# Altium PCB Discharge_C2.PcbDoc (part 1 of 2)
Units mm, origin at the board's own origin, x right, y up, seen from the top; angles counter-clockwise.
Board outline 166.97 x 82.45 mm, 4 copper layers (Top Layer, GND, PWR, Bottom Layer), stack 1.369 mm thick; 186 components, 113 nets, 591 pads, 287 vias.
Unrouted connection lines stored in the file: 8.
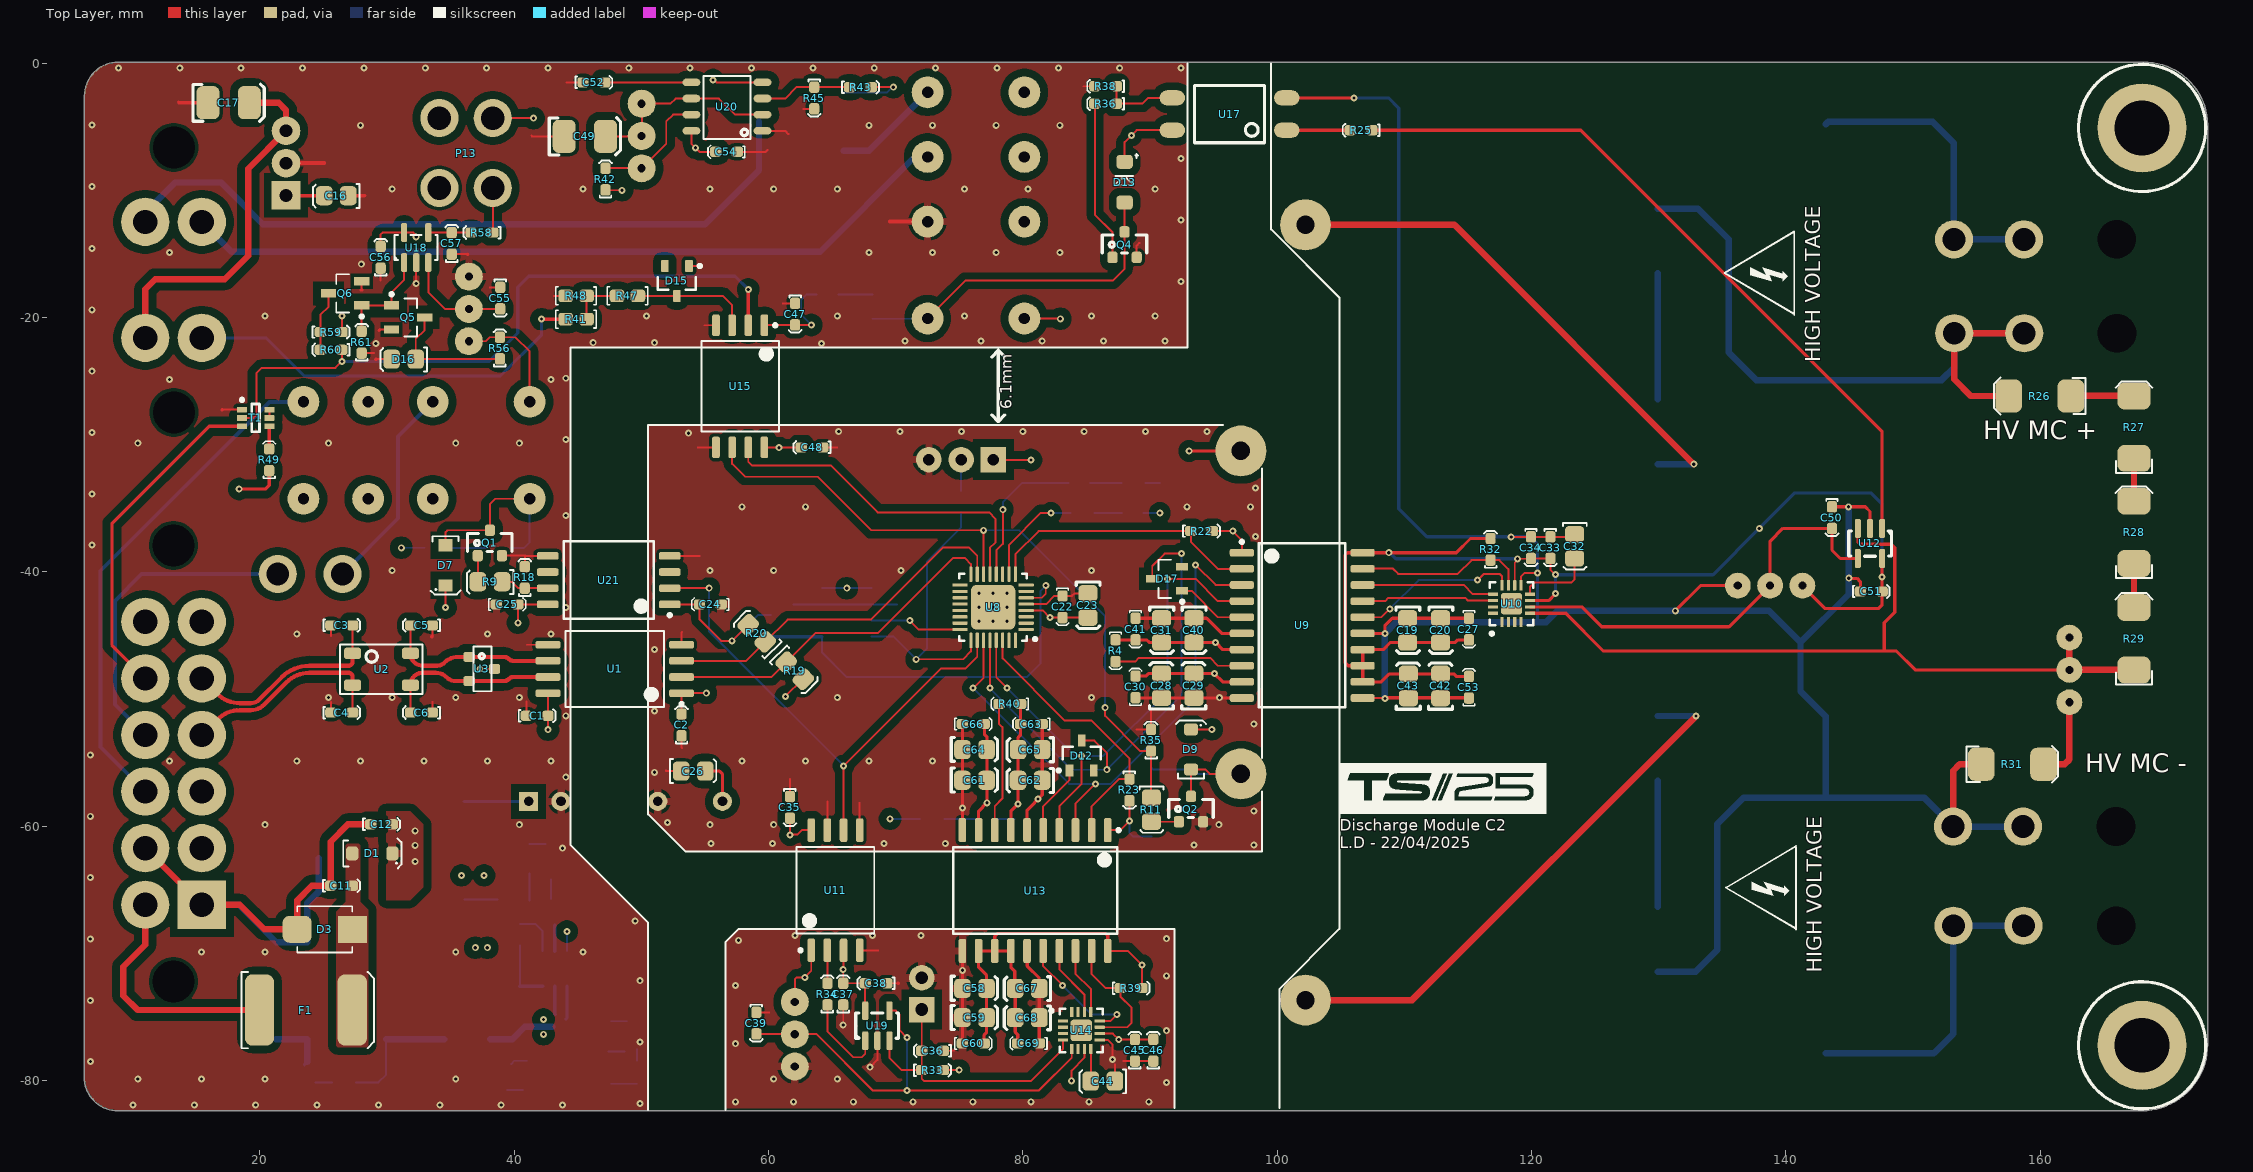
[diagram p0: Top Layer view]
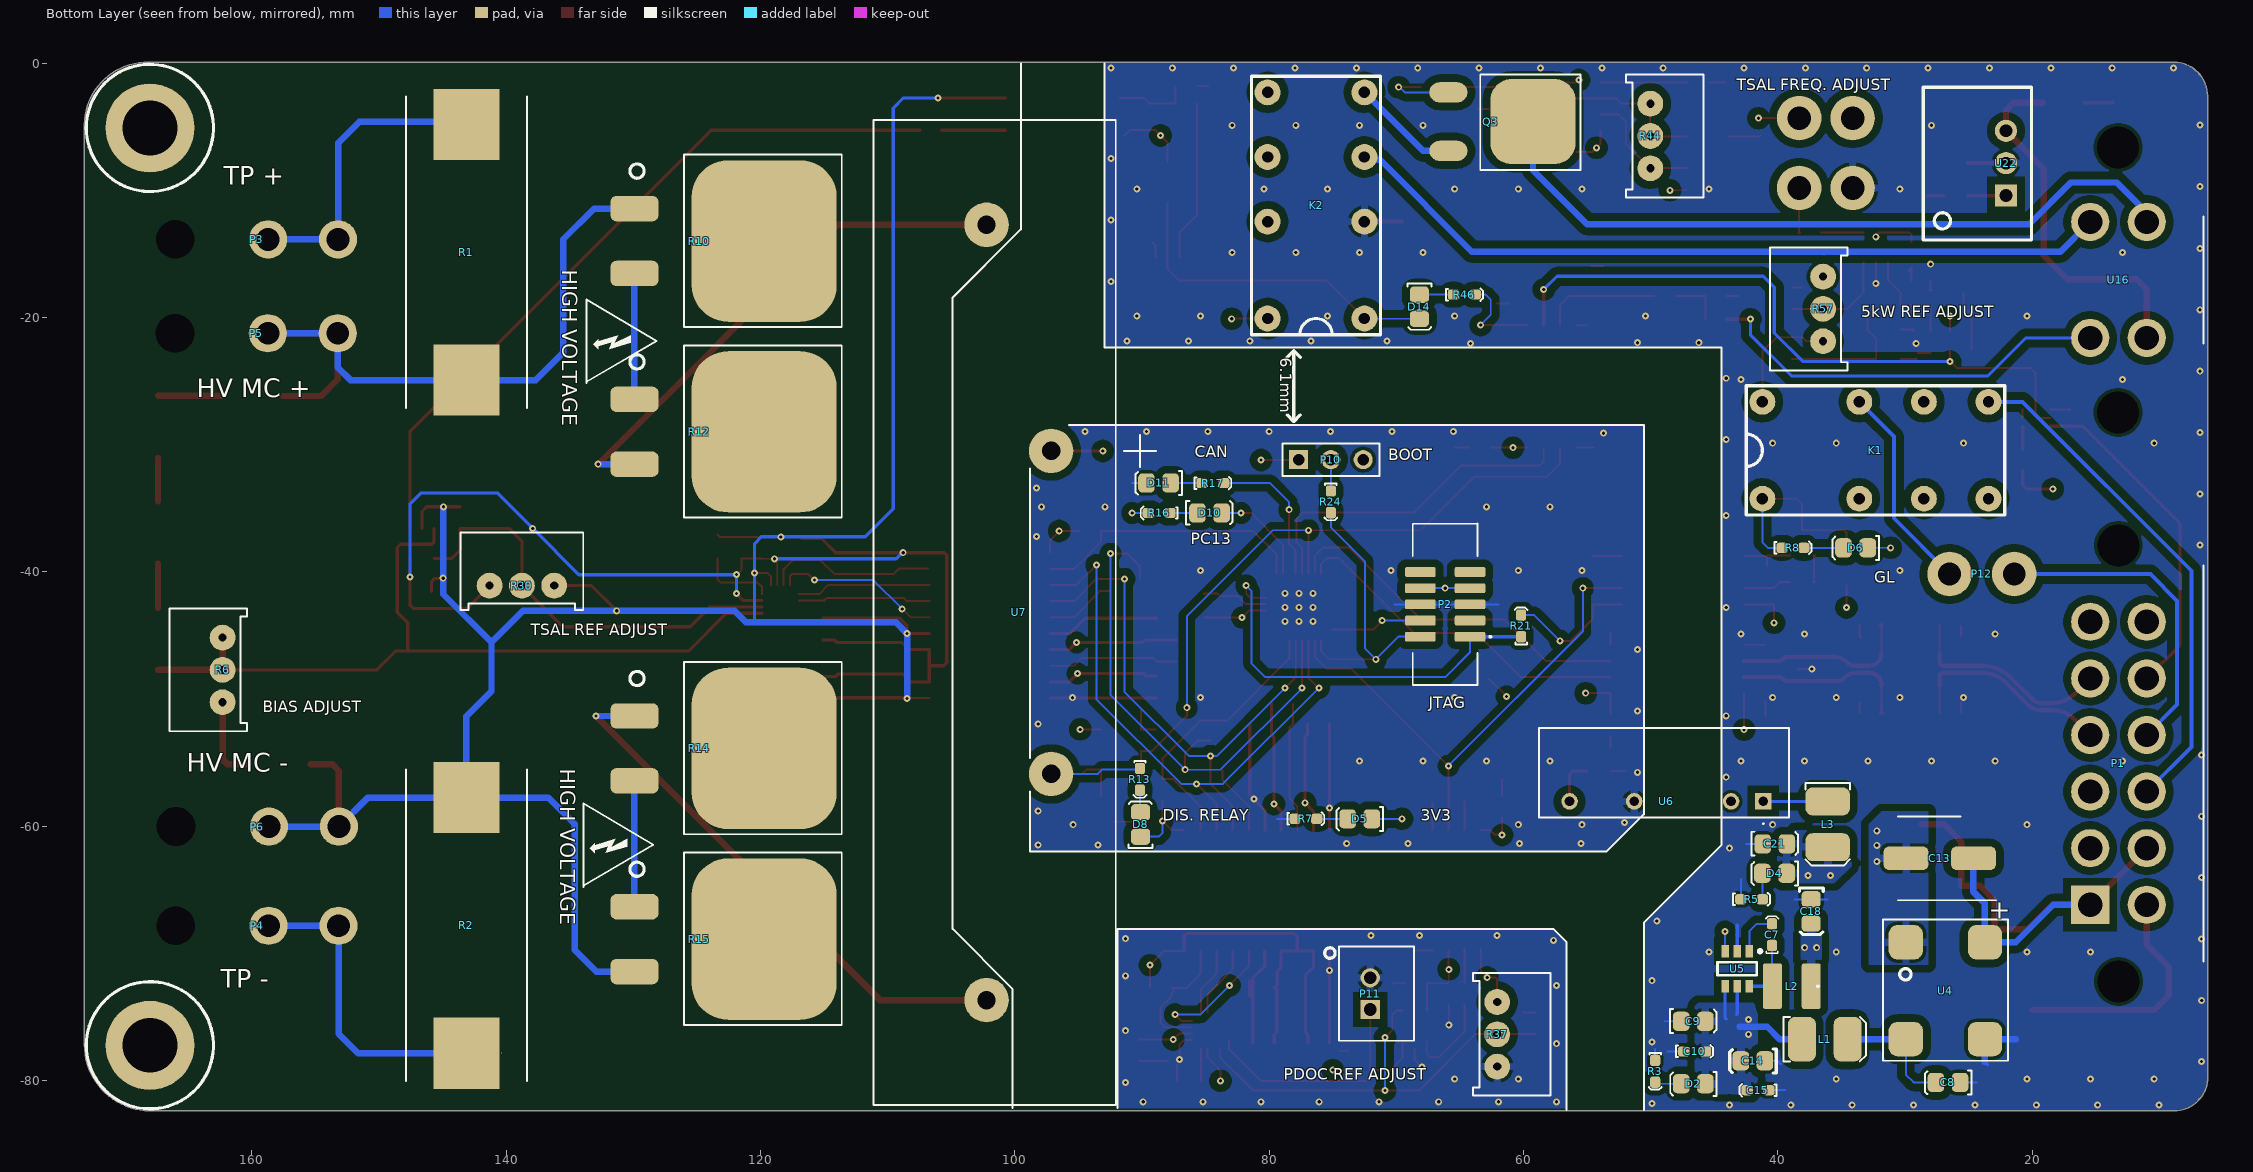
[diagram p1: Bottom Layer view, seen from below]
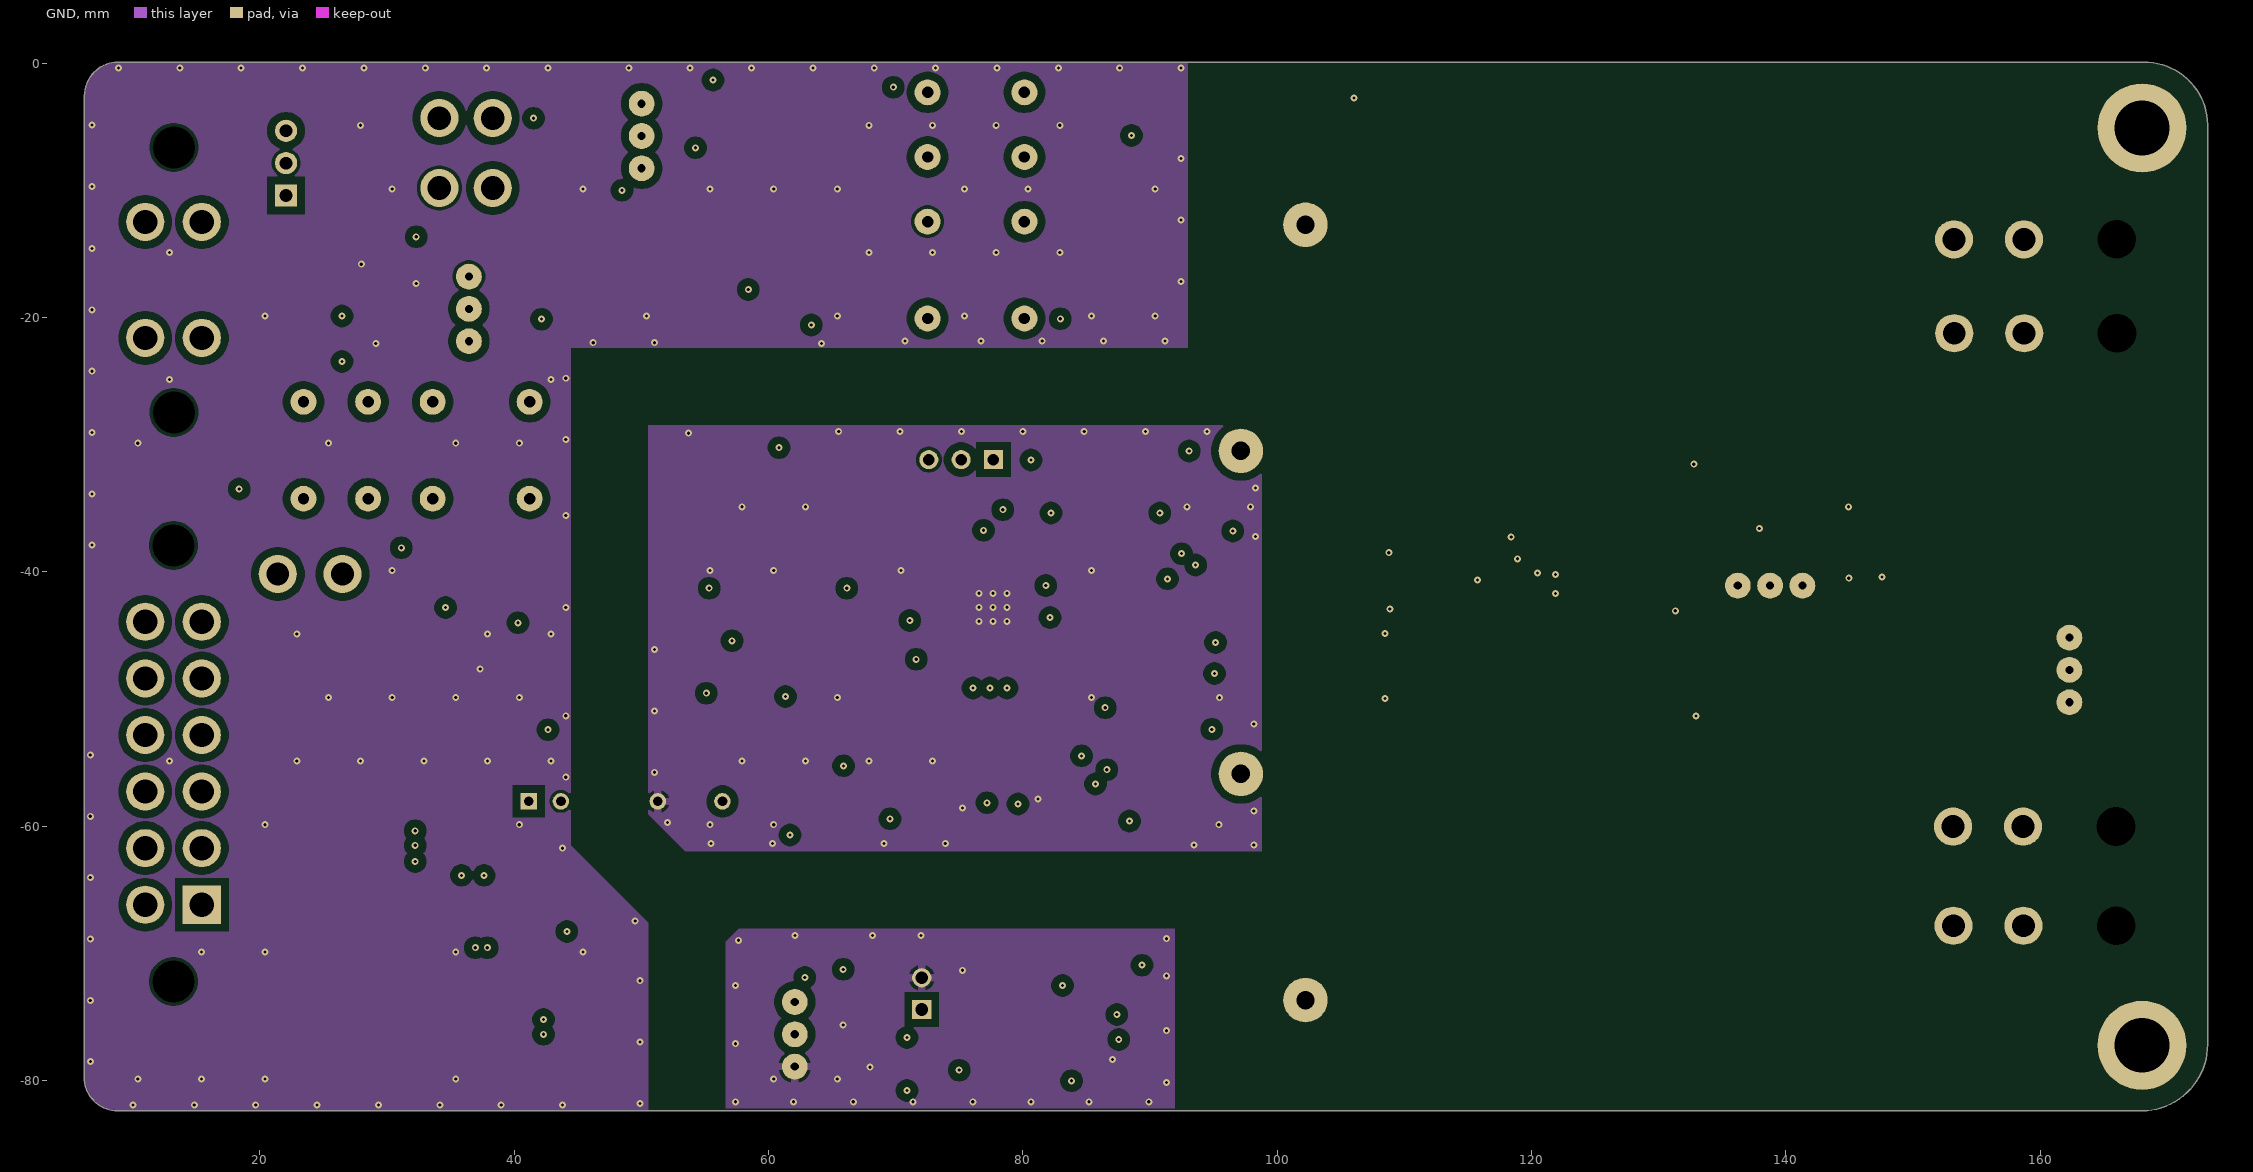
[diagram p2: GND]
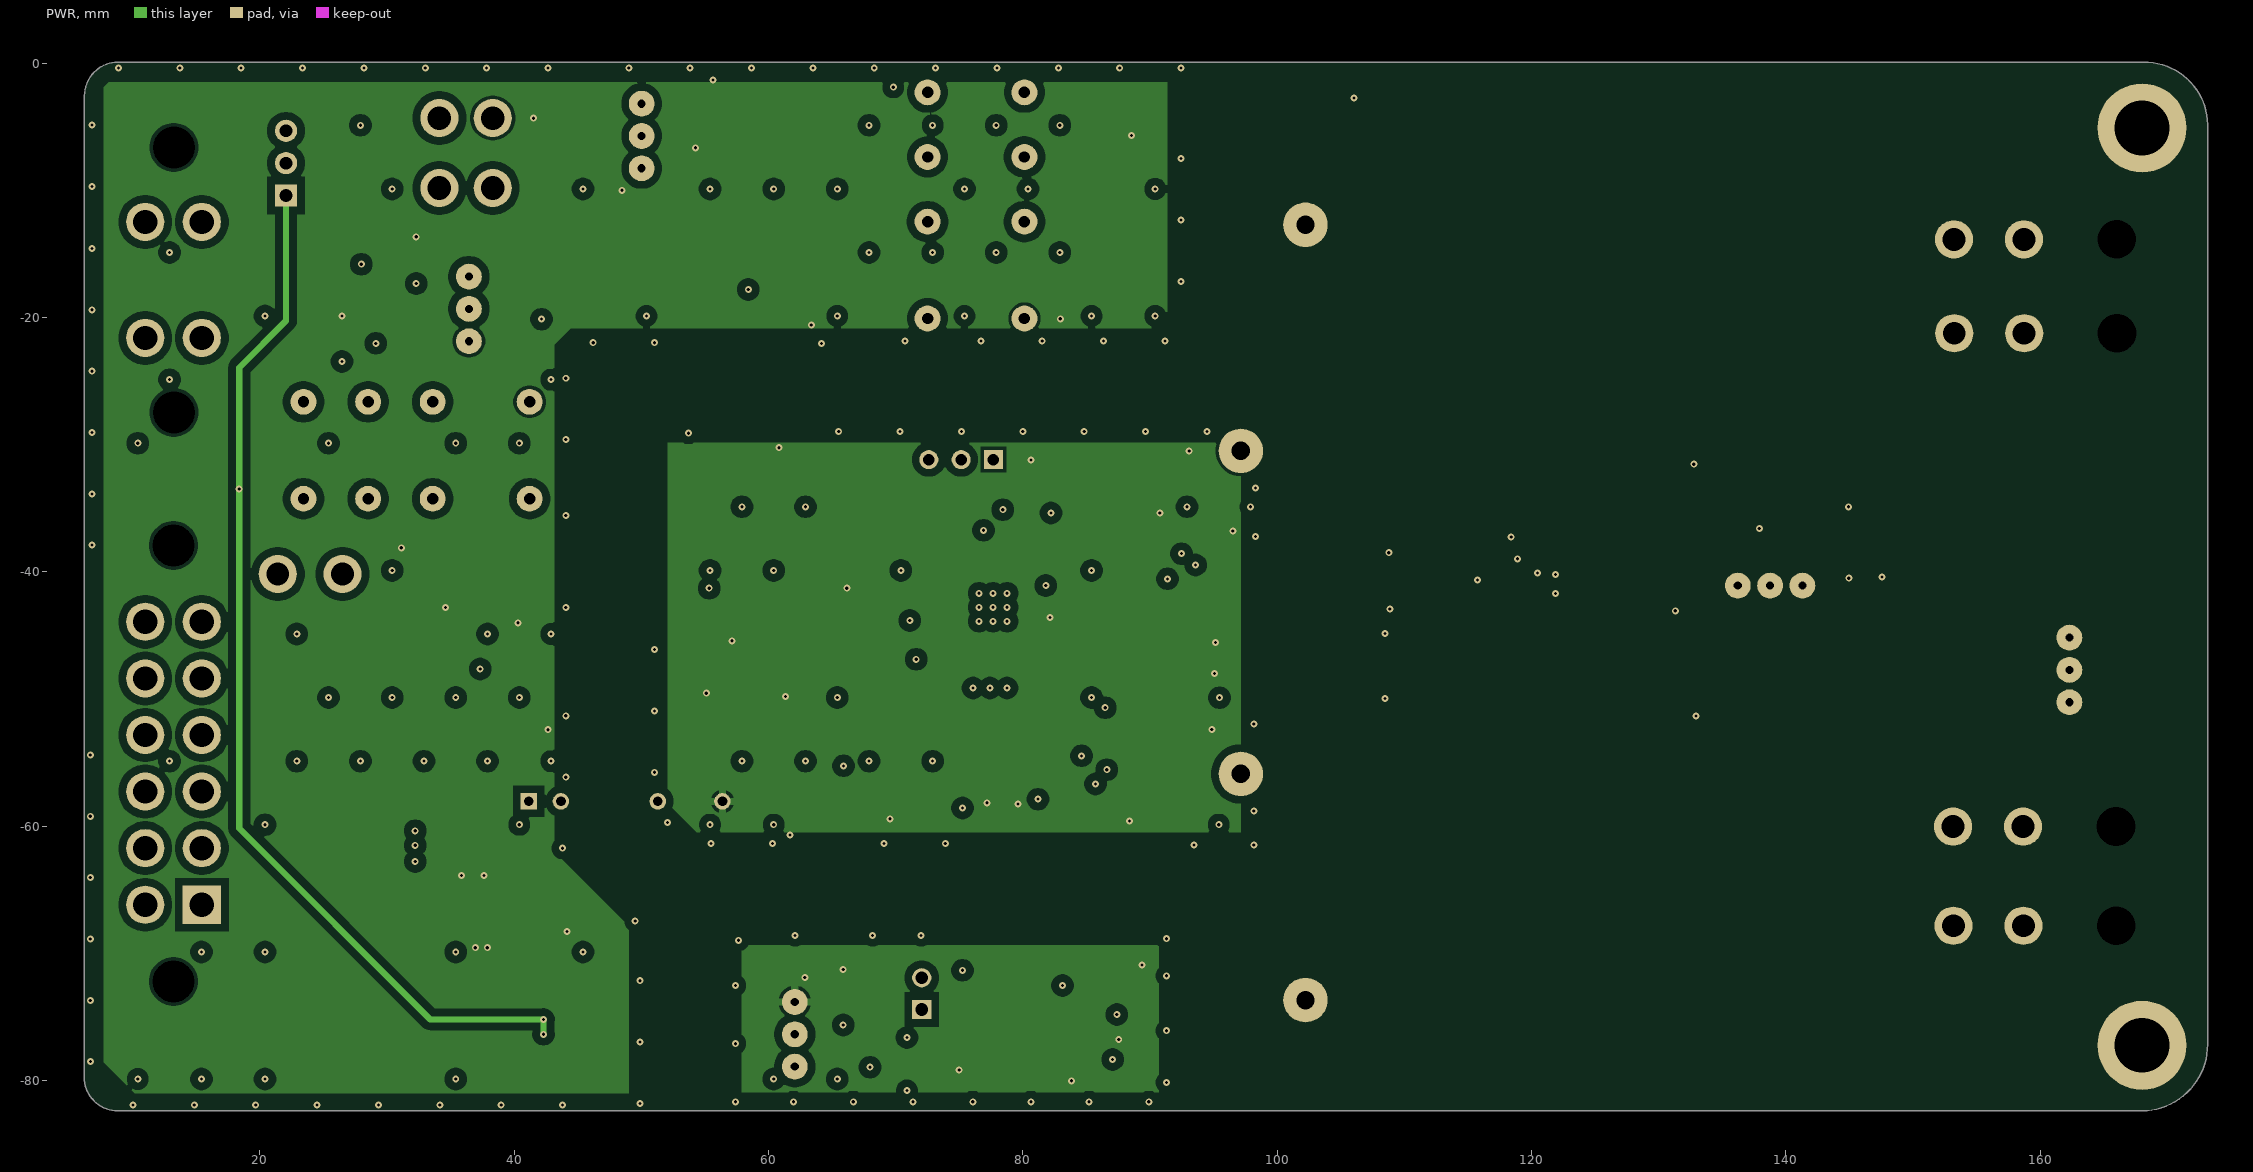
[diagram p3: PWR]
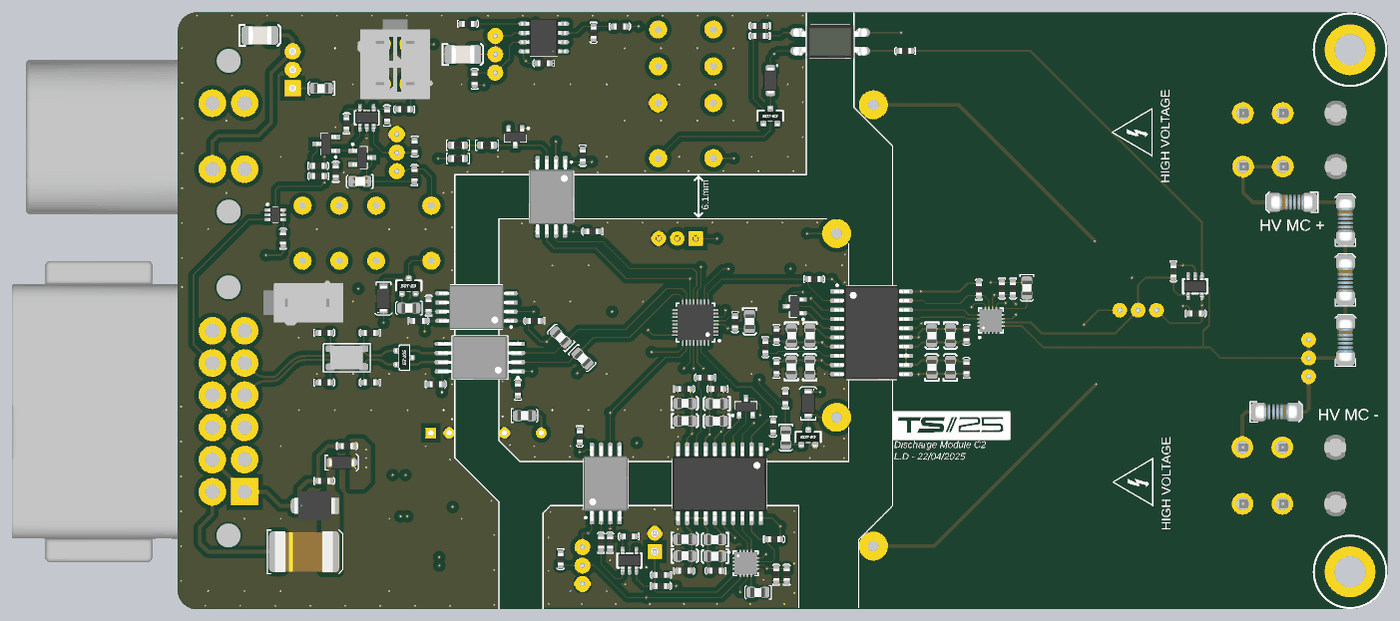
[diagram p5: 3D render of the assembled board from above, using the file's embedded part models]
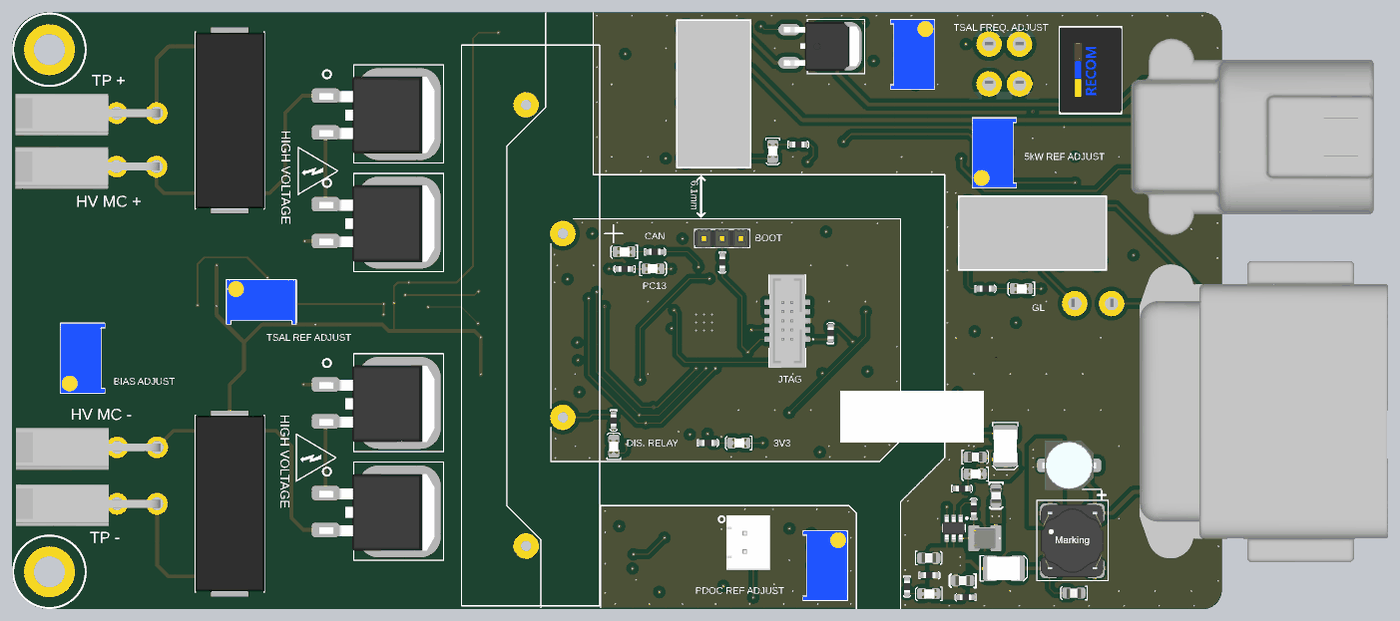
[diagram p6: 3D render of the assembled board from below, using the file's embedded part models]

## Layer stack, top to bottom
Top Solder: solder mask 0.0254, SM-001, Dk 4
Top Layer: signal copper 0.035
Dielectric 1: prepreg 0.1295, PP-017, Dk 4.3
Dielectric 2: prepreg 0.1295, PP-017, Dk 4.3
GND: signal copper 0.035
Dielectric 3: core 0.7112, Core-039, Dk 4.8
PWR: signal copper 0.035
Dielectric 4: prepreg 0.1295, PP-017, Dk 4.3
Dielectric 5: prepreg 0.1295, PP-017, Dk 4.3
Bottom Layer: signal copper 0.035
Bottom Solder: solder mask 0.0254, SM-001, Dk 4

## Board outline
6.21,-79.728 6.223,-77.196 6.223,-77.191 6.223,-4.597 6.223,-4.589 6.224,-2.547 cw(c8.848,-2.547) 8.848,0.076 18.605,0.076 37.782,0.076 47.752,0.076 168.13,0.076 168.147,0.078 cw(c168.212,-4.889) 173.179,-4.825 173.177,-4.844 173.177,-68.072 173.177,-77.089 173.178,-77.152 cw(c167.958,-77.152) 168.022,-82.372 168.021,-82.372 160.661,-82.372 160.655,-82.373 8.854,-82.373 8.848,-82.372 cw(c8.854,-79.729)

## Design rules (kind name [scope] priority, off if disabled: settings)
Clearance HV [InNetClass('HV')] p1: gap=0.254 ignorepadtopadclearanceinfootprint=TRUE except(0: Arc-Hole Track-Hole SMDPad-Hole THPad-Hole Via-Hole Fill-Hole Region-Hole Text-Hole; 0.152: Arc-SMDPad; 0.2: Arc-THPad THPad-Via; 0.203: Arc-Arc Arc-Track Arc-Region Track-Region THPad-Region Via-Region Fill-Region Poly-Region Region-Region; 0.6: Arc-Poly Fill-Poly Poly-Poly; 1.8: Track-Track Track-SMDPad Track-THPad Track-Via Track-Fill Track-Poly SMDPad-Via SMDPad-Fill SMDPad-Poly THPad-THPad)
Clearance [All] p2: gap=0.254 ignorepadtopadclearanceinfootprint=FALSE except(0: Arc-Hole Track-Hole SMDPad-Hole THPad-Hole Via-Hole Fill-Hole Region-Hole Text-Hole; 0.1: THPad-THPad; 0.152: Arc-SMDPad Track-SMDPad SMDPad-SMDPad; 0.2: Arc-THPad Track-THPad SMDPad-THPad THPad-Via; 0.203: Arc-Arc Arc-Track Arc-Region Track-Track Track-Region SMDPad-Region THPad-Region Via-Region Fill-Region Poly-Region Region-Region; 0.6: Arc-Poly Track-Poly SMDPad-Poly THPad-Poly Via-Poly Fill-Poly Poly-Poly)
DiffPairsRouting [All] p1: maxlimit=0.254 minlimit=0.22 mostfreqgap=0.254 toplayer_maxgap=0.22 toplayer_prefgap=0.22 toplayer_minwidth=0.33 toplayer_maxwidth=0.33 toplayer_prefwidth=0.33 midlayer1_mingap=0.254 midlayer1_minwidth=0.381 midlayer1_maxwidth=0.381 midlayer1_prefwidth=0.381 midlayer2_mingap=0.254 midlayer2_minwidth=0.381 midlayer2_maxwidth=0.381 midlayer2_prefwidth=0.381 bottomlayer_mingap=0.254 bottomlayer_minwidth=0.381 bottomlayer_maxwidth=0.381 bottomlayer_prefwidth=0.381 maxuncoupledlength=12.7
Height [All] p1: minheight=0 maxheight=50 prefheight=12.7
HoleSize [All] p1: absolutevalues=TRUE maxlimit=10 minlimit=0.025 maxpercent=80.000 minpercent=20.000
MinimumSolderMaskSliver [All] p1: minsoldermaskwidth=0
PlaneClearance [All] p1: clearance=0.4
PlaneConnect [All] p1: pad.planeconnectstyle=Relief pad.reliefexpansion=0.508 pad.reliefentries=4 pad.reliefconductorwidth=0.8 pad.reliefairgap=0.254 via.planeconnectstyle=Direct via.reliefexpansion=0.508 via.reliefentries=4 via.reliefconductorwidth=0.8 via.reliefairgap=0.254
PolygonConnect [All] p1: thpad.connectstyle=Relief thpad.reliefconductorwidth=0.6 thpad.reliefentries=4 thpad.polygonreliefangle="90 Angle" thpad.airgapwidth=0.254 smdpad.connectstyle=Relief smdpad.reliefconductorwidth=0.6 smdpad.reliefentries=4 smdpad.polygonreliefangle="90 Angle" smdpad.airgapwidth=0.254 via.connectstyle=Direct via.reliefconductorwidth=0.6 via.reliefentries=4 via.polygonreliefangle="90 Angle" via.airgapwidth=0.254
RoutingVias [All] p1: holewidth=0.25 width=0.5 viastyle="Through Hole" minholewidth=0.203 minwidth=0.254 maxholewidth=0.711 maxwidth=1.27
SilkToSilkClearance [All] p1: silktosilkclearance=0
SilkToSolderMaskClearance [IsPad] p1: minsilkscreentomaskgap=0 clearancetoexposedcopper=TRUE
SolderMaskExpansion [All] p1: expansion=0.051 istentingtop=FALSE
SupplyNets "Schematic Supply Nets_11" [InNet('0V')] p1: voltage=0.000
SupplyNets "Schematic Supply Nets_10" [InNet('GND_PDOC')] p2: voltage=0.000
SupplyNets "Schematic Supply Nets_9" [InNet('HV MC-')] p3: voltage=0.000
SupplyNets "Schematic Supply Nets_8" [InNet('3V3')] p4: voltage=0.000
SupplyNets "Schematic Supply Nets_7" [InNet('0V_(ISO)')] p5: voltage=0.000
SupplyNets "Schematic Supply Nets_6" [InNet('GLV-')] p6: voltage=0.000
SupplyNets "Schematic Supply Nets_5" [InNet('VDD_PDOC')] p7: voltage=0.000
SupplyNets "Schematic Supply Nets_4" [InNet('5V_TSAL')] p8: voltage=0.000
SupplyNets "Schematic Supply Nets_3" [InNet('5V')] p9: voltage=0.000
SupplyNets "Schematic Supply Nets_2" [InNet('GLV+')] p10: voltage=0.000
SupplyNets "Schematic Supply Nets_1" [InNet('VBAT_F')] p11: voltage=0.000
SupplyNets "Schematic Supply Nets" [InNet('HVVDD')] p12: voltage=0.000
Width [All] p1: maxlimit=3 minlimit=0.127 preferedwidth=0.5 toplayer_prefwidth=0.254 bottomlayer_prefwidth=0.254 minimp=50.000000 maximp=50.000000 favimp=50.000000
22 further rules are at their usual default settings.

## Classes and differential pairs
component class TSAL: C49 C52 C54 D13 D14 K2 Q3 Q4 R36 R38 R42 R43 R44 R45 R46 U20
component class TopLevel: 3 P1 P3 P4 P5 P6 P12 P13 R1 R2 U16
component class Isolation: C47 C48 D15 R41 R47 R48 U15
component class "5kW Circuit": C55 C56 C57 D16 Q5 Q6 R49 R56 R57 R58 R59 R60 R61 T1 U18
component class "Safety Loop": C24 C25 D6 D7 K1 Q1 R8 R9 R18 U21
component class "Power Supply": C7 C8 C9 C10 C11 C12 C13 C14 C15 C16 C17 C18 C21 C26 D1 D2 D3 D4 D5 F1 L1 L2 L3 R3 R5 R7 U4 U5 U6 U22
component class PDOC: C35 C36 C37 C38 C39 C44 C45 C46 C58 C59 C60 C61 C62 C63 C64 C65 C66 C67 C68 C69 D12 P11 "PDOC NTC1" R33 R34 R37 R39 R40 U11 U13 U14 U19
component class Microcontroller: C22 C23 D10 D11 P2 P10 R16 R17 R19 R20 R21 R22 R23 R24 U8
component class "HV SENSE": C19 C20 C27 C28 C29 C30 C31 C32 C33 C34 C40 C41 C42 C43 C50 C51 C53 D17 R4 R6 R25 R26 R27 R28 R29 R30 R31 R32 U9 U10 U12 U17
component class Discharge: D8 D9 Q2 R10 R11 R12 R13 R14 R15 R35 U7
component class CAN: C1 C2 C3 C4 C5 C6 TP1 TP2 U1 U2 U3
differential pair CAN1_F: +CAN1_F_P -CAN1_F_N
differential pair CAN1: +CAN1_P -CAN1_N
